# Altium PCB 控制板.PcbDoc (part 8 of 12) (continued)
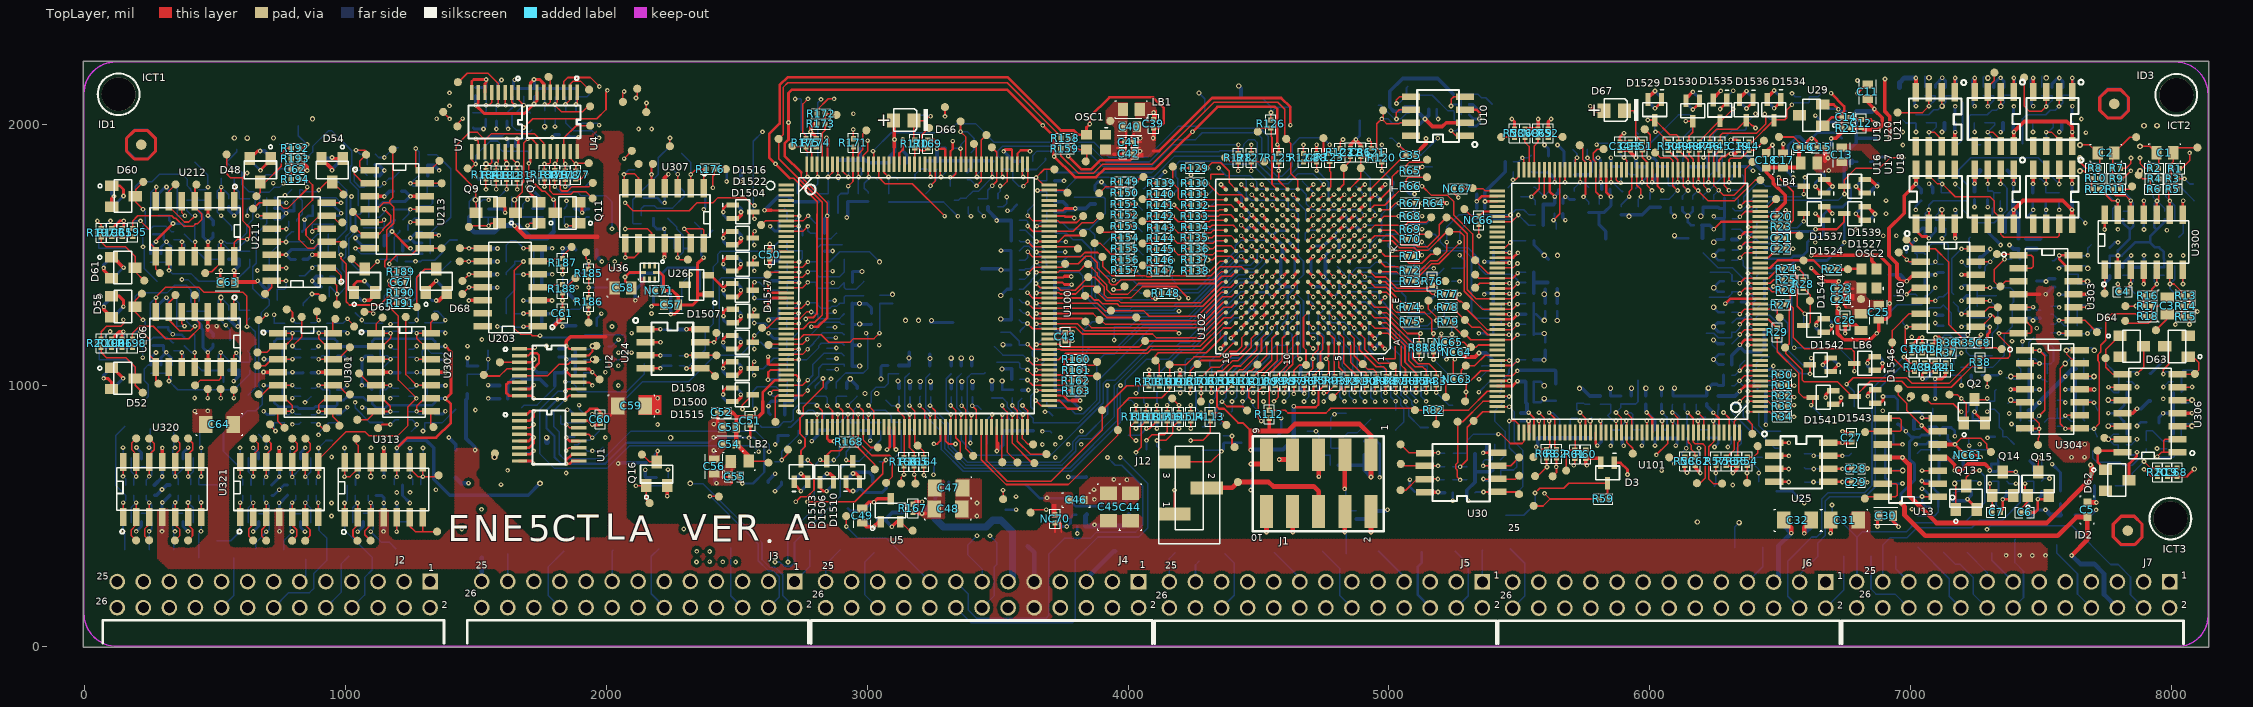
[diagram p0: TopLayer view]
## Nets (pads, with @x,y where several pads share a name; then routed paths per layer and width w, separated by ;. In a path a pad name is that pad's centre, name@x,y a point inside that pad or via, vN(x,y) a via of type N, cw(c..) or ccw(c..) an arc to the next point about the centre after c; other vN are vias at no path point) (continued)
  BottomLayer w6: pad.82@3334,1710.7 3350.1,1710.7 3358.2,1718.8 3379,1718.8 3404.4,1744.2 3425.3,1744.2 3480.7,1799.6 R525.2@3480.7,1828.4
U100-167_0: pad.90@2888,1659.8 R171.1 R581.1 U100.167 | length 294.8
  TopLayer w6: v1(2927.4,1764.6) 2945.57,1782.76 2945.57,1913.67 R171.1@2946.9,1915
  BottomLayer w6: pad.90@2888,1659.8 2888,1725.3 2899,1736.3 R581.1@2924.9,1736.3 2927.4,1738.8 v1(2927.4,1764.6)
U100-173_0: pad.127@2882.1,2037.8 R172.2 R173.2 U100.173 | length 243.4
  TopLayer w6: U100.173@2827.45,1848.5 2827.45,1968.56 2838.1,1979.2 2838.1,2041.4 2838.8,2042.1 2877.8,2042.1 pad.127@2882.1,2037.8
U100-174_0: R583.1 R588.2 U100.174 | length 160.7
  TopLayer w6: U100.174@2807.77,1848.5 2807.77,1802.13 v1(2809.9,1800)
  BottomLayer w6: R583.1@2772.8,1735.5 2810.3,1773 R588.2@2810.3,1831.3
U100-175_0: pad.126@2713.2,1918.8 R174.1 R175.1 U100.175 | length 175.1
  TopLayer w6: pad.126@2713.2,1918.8 2717,1915 R174.1@2804.4,1915 ; R175.1@2764.9,1915 2764.9,1902.7 2773.4,1894.2 2784.1,1894.2 2788.08,1890.22 U100.175@2788.08,1848.5
U100-176_0: pad.73@2733.2,1784.2 R584.1 R589.2 U100.176 | length 172.9
  TopLayer w6: U100.176@2768.4,1848.5 2768.4,1802.7 v1(2771.1,1800)
  BottomLayer w6: R584.1@2732.4,1735.5 2732.4,1783.4 2754.5,1783.4 2769.4,1798.3 R589.2@2769.4,1830.5
U101-1_0: pad.367 R34.2 R349.1 U101.1 | length 309.3
  TopLayer w6: v1(6376.5,899.4) 6376.7,899.6 6460.3,899.6 6480.1,879.8 R34.2@6493.4,879.8
  BottomLayer w6: v1(6376.5,899.4) 6413.8,899.4 6417.8,895.4 6417.8,847.1 6439.9,825 pad.367@6501.5,825
U101-3_0: pad.366 R33.2 R350.1 U101.3 | length 408.4
  TopLayer w6: v1(6376.5,939) 6455.3,939 6473.8,920.5 R33.2@6493.2,920.5
  BottomLayer w6: R350.1@6413.2,939.6 6380.7,939.6 6359,917.9 6359,881.7 6480.7,760 pad.366@6493.2,760
U101-4_0: pad.363 R32.2 R377.1 U101.4 | length 350.6
  TopLayer w6: v1(6345.5,939) 6365.16,958.66 6491.36,958.66 R32.2@6493.2,960.5
  BottomLayer w6: v1(6345.5,939) 6335.7,929.2 R377.1@6314,929.2 6314,898.4 6387.8,824.6 pad.363@6387.8,801.3
U101-5_0: pad.360 R31.2 R351.1 U101.5 | length 284.1
  TopLayer w6: v1(6376.7,978.2) 6470.1,978.2 R31.2@6492.8,1000.9
  BottomLayer w6: v1(6376.7,978.2) 6411.6,978.2 R351.1@6413.4,980 6413.4,994.5 6420,1001.1 6466.8,1001.1 6489,978.9 pad.360@6489,959.8
U101-19_0: C204.2 pad.309 R29.2 U101.19 | length 340.3
  TopLayer w6: v1(6345.3,1234.6) 6345.6,1234.6 6364.93,1253.93 6454.67,1253.93 R29.2@6489,1219.6
  BottomLayer w6: pad.309@6217.8,1200.9 6245.7,1200.9 6263.2,1183.4 6310.7,1183.4 6314.8,1187.5 C204.2@6314.8,1204.6 6315,1204.8 6329.8,1204.8 6345.3,1220.3 v1(6345.3,1234.6)
U101-20_0: C205.2 pad.313 R355.1 U101.20 | length 288.4
  TopLayer w6: v1(6376.9,1273.8) 6377.08,1273.62 U101.20@6424,1273.62
  BottomLayer w6: C205.2@6315.2,1240.5 6317,1240.5 6333.6,1257.1 6360.2,1257.1 v1(6376.9,1273.8) 6376.9,1273.2 6400.5,1249.6 R355.1@6409.2,1249.6 6409.2,1262.9 6416.1,1269.8 6460.8,1269.8 pad.313@6499.9,1230.7
U101-21_0: C206.2 pad.269@6498.6,1261.3 R27.1 U101.21 | length 244.7
  TopLayer w6: v1(6345.3,1273.8) 6364.8,1293.3 6457.5,1293.3 6474.7,1310.5 R27.1@6488.6,1310.5 6488.6,1271.3 pad.269@6498.6,1261.3
  BottomLayer w6: C206.2@6315.2,1280.5 6338.6,1280.5 v1(6345.3,1273.8)
U101-24_0: C198.1 pad.308 R356.1 U101.24 | length 246.2
  TopLayer w6: v1(6377.1,1352.1) 6377.36,1352.36 U101.24@6424,1352.36
  BottomLayer w6: v1(6377.1,1352.1) 6385.7,1352.1 6406.5,1331.3 6406.5,1328.3 6395.3,1317.1 6395.3,1303.9 R356.1@6409.2,1290 6409.2,1294.8 6423.6,1309.2 6495.9,1309.2 pad.308@6504.4,1300.7
U101-25_0: C208.2 pad.306 R26.1 U101.25 | length 311.6
  TopLayer w6: v1(6345.5,1353) 6364.54,1372.04 6457.06,1372.04 6469.1,1360 6503.6,1360 R26.1@6508.6,1365
  BottomLayer w6: pad.306@6227.6,1338.8 6301.1,1338.8 6315.6,1353.3 C208.2@6315.6,1360 6316,1359.6 6338.9,1359.6 v1(6345.5,1353)
U101-26_0: C199.1 pad.302@6204.6,1508.8 R25.1 U101.26 | length 399.5
  TopLayer w6: v1(6377.4,1391.9) 6462.3,1391.9 6475.9,1405.5 R25.1@6509,1405.5
  BottomLayer w6: pad.302@6204.6,1508.8 6204.9,1508.8 6262.4,1451.3 6317.4,1451.3 6399.1,1369.6 C199.1@6409.2,1369.6
U101-27_0: C209.2 pad.304@6231.5,1435 R24.1 U101.27 | length 330.5
  TopLayer w6: v1(6345.3,1392.3) 6364.41,1411.41 6456.61,1411.41 6490.7,1445.5 R24.1@6508.6,1445.5
  BottomLayer w6: pad.304@6231.5,1435 6304.5,1435 6315.6,1423.9 C209.2@6315.6,1400.5 6316.1,1400 6337.6,1400 v1(6345.3,1392.3)
U101-28_0: C200.1 pad.307 R357.1 U101.28 | length 263.5
  TopLayer w6: v1(6376.9,1431.1) U101.28@6424,1431.1
  BottomLayer w6: v1(6376.9,1431.1) 6398.2,1409.8 6410.5,1409.8 6410.5,1420.7 6419.8,1430 6482.8,1430 6509,1403.8 6509,1359.4 pad.307@6505.1,1355.5
U101-35_0: C213.2 pad.301@6513.2,1632.1 R361.1 U101.35 | length 294.6
  TopLayer w6: v1(6378,1568.6) 6378.29,1568.89 U101.35@6424,1568.89
  BottomLayer w6: C213.2@6315.6,1599.6 6347,1599.6 v1(6378,1568.6) 6409.9,1600.5 6409.9,1620.5 6421.5,1632.1 pad.301@6513.2,1632.1
U101-40_0: C214.2 pad.300@6484.4,1679.2 R362.1 U101.40 | length 296.4
  TopLayer w6: v1(6345.9,1647.1) 6366.12,1667.32 U101.40@6424,1667.32
  BottomLayer w6: C214.2@6316.1,1640 6339,1640 6367.4,1668.4 6384.9,1668.4 6400.7,1684.2 R362.1@6409.6,1684.2 6409.6,1668.6 6413.6,1664.6 6469.8,1664.6 pad.300@6484.4,1679.2
U101-41_0: C215.2 pad.276@6484.9,1714.6 R363.1 U101.41 | length 246.4
  TopLayer w6: v1(6377.6,1686.3) 6457.3,1686.3 6484.9,1713.9 pad.276@6484.9,1714.6
  BottomLayer w6: C215.2@6318.3,1679.2 6318.6,1679.2 6328.2,1669.6 6352.8,1669.6 6369.5,1686.3 v1(6377.6,1686.3) 6377.6,1700.7 6401.5,1724.6 R363.1@6410.1,1724.6
U101-42_0: C216.2 pad.299@6414.4,1773 R364.1 U101.42 | length 310.3
  TopLayer w6: v1(6346.3,1686.7) 6366.29,1706.69 U101.42@6424,1706.69
  BottomLayer w6: C216.2@6317.7,1718.8 6333.6,1718.8 6339,1713.4 6339,1694 v1(6346.3,1686.7) 6346.3,1687.4 6360.3,1701.4 6360.3,1724.2 6409.1,1773 6435.7,1773 6444.1,1764.6 R364.1@6464.4,1764.6
U101-47_0: C223.1 pad.253@6438.2,1938.8 R44.2 U101.47 | length 283
  TopLayer w6: v1(6304.2,1779.8) 6304.2,1865.2 6310.7,1871.7 6349.6,1871.7 6380.4,1902.5 6401.9,1902.5 pad.253@6438.2,1938.8
  BottomLayer w6: v1(6304.2,1779.8) 6316.1,1791.7 C223.1@6316.1,1808
U101-50_0: C219.2 pad.252@6394,1857.1 R45.2 U101.50 | length 436.3
  TopLayer w6: R45.2@6270.7,1902.4 6246.17,1877.87 U101.50@6246.17,1827.6 6246.17,1766.83 6283,1730 6323.2,1730 6367.1,1773.9 6367.1,1830.2 pad.252@6394,1857.1
  BottomLayer w6: C219.2@6246.3,1714.2 6246.3,1730.5 v1(6264.4,1748.6)
U101-51_0: C225.1 pad.272@6206.1,1954.4 R46.2 U101.51 | length 333.1
  TopLayer w6: v1(6225.5,1779.6) 6226.49,1780.59 6226.49,1897.99 R46.2@6230.9,1902.4
  BottomLayer w6: pad.272@6206.1,1954.4 6206.1,1929.3 6244.4,1891 6244.4,1820 6233.2,1808.8 C225.1@6221.9,1808.8 6221.9,1783.2 v1(6225.5,1779.6)
U101-52_0: C220.2 pad.273@6262.8,1984.6 R368.1 U101.52 | length 415.5
  TopLayer w6: U101.52@6206.8,1827.6 6206.8,1766.7 v1(6225.3,1748.2)
  BottomLayer w6: C220.2@6204.9,1714.6 6204.9,1727.8 v1(6225.3,1748.2) 6227.2,1748.2 6278.6,1799.6 R368.1@6278.6,1808.8 6270.6,1808.8 6258.2,1821.2 6258.2,1899.6 6244,1913.8 6244,1965.8 pad.273@6262.8,1984.6
U101-53_0: C226.1 R47.2 U101.53 | length 154.4
  TopLayer w6: v1(6186.3,1779.4) 6187.12,1780.22 6187.12,1898.62 R47.2@6191.1,1902.6
  BottomLayer w6: C226.1@6185.7,1808.4 6185.7,1780 v1(6186.3,1779.4)
U101-54_0: C221.2 pad.254@6424.9,1788 R48.2 U101.54 | length 499.4
  TopLayer w6: R48.2@6150.9,1902 6150.9,1884.4 6167.43,1867.87 6167.43,1763.97 6222.4,1709 6326.3,1709 6405.3,1788 pad.254@6424.9,1788
  BottomLayer w6: C221.2@6165.3,1715 6165.3,1727.4 v1(6185.9,1748)
U101-55_0: C227.1 R49.2 U101.55 | length 167.5
  TopLayer w6: R49.2@6111.1,1902.4 6147.75,1865.75 6147.75,1780.25 v1(6147.1,1779.6)
  BottomLayer w6: v1(6147.1,1779.6) 6150.3,1782.8 C227.1@6150.3,1807.5
U101-56_0: C222.2 pad.271@6159.6,1931.1 R396.2 U101.56 | length 355.3
  TopLayer w6: U101.56@6128.06,1827.6 6128.06,1766.44 v1(6146.7,1747.8)
  BottomLayer w6: C222.2@6125.9,1714.6 6125.9,1727 v1(6146.7,1747.8) 6145.4,1747.8 6129,1764.2 6129,1788 6109,1808 R396.2@6106.1,1808 6108.2,1808 6126.5,1826.3 6126.5,1870.9 6159.6,1904 pad.271@6159.6,1931.1
U101-57_0: C228.1 pad.171@6075.3,1764.6 R50.2 U101.57 | length 220.2
  TopLayer w6: R50.2@6071.5,1902 6107.4,1866.1 v1(6107.4,1779.6)
  BottomLayer w6: C228.1@6070.7,1808.4 6070.7,1769.2 6074,1765.9 6093.7,1765.9 v1(6107.4,1779.6)
U101-89_0: NC67.2 pad.245@5321.1,1756.7 U101.89 | length 139.5
  TopLayer w6: NC67.2@5279.4,1755 5361.1,1755 5370.04,1746.06 U101.89@5415.2,1746.06
U101-93_0: NC66.1 pad.208@5289.4,1676.7 U101.93 | length 144.2
  TopLayer w6: pad.208@5289.4,1676.7 5316.3,1649.8 5345.9,1649.8 5363.42,1667.32 U101.93@5415.2,1667.32
U101-122_0: pad.229@5355.9,1074.4 R423.2 R424.2 U101.122 | length 194.9
  TopLayer w6: U101.122@5415.2,1096.45 5460.75,1096.45 v1(5461.5,1095.7)
  BottomLayer w6: pad.229@5355.9,1074.4 5357.8,1076.3 5431.5,1076.3 ; R423.2@5431.1,1055.3 5431.1,1096.5 5460.7,1096.5 v1(5461.5,1095.7)
U101-123_0: pad.250@5424.9,969.6 R415.1 R422.2 U101.123 | length 274.3
  TopLayer w6: U101.123@5415.2,1076.77 5474.47,1076.77 v1(5493.8,1096.1)
  BottomLayer w6: pad.250@5424.9,969.6 5431.1,975.8 R422.2@5431.1,1017.3 5460.7,1046.9 5460.7,1063 5496.5,1098.8 R415.1@5525.3,1098.8
U101-138_0: NC4.1 pad.134@3706.9,819.2 U101.138 | length 3463.3
  TopLayer w6: v1(5575.5,896.1) 5596.57,875.03 U101.138@5596.57,819.9
  MidLayer2 w6: v1(3671.7,824.4) 3745.5,824.4 3813.2,756.7 3844.4,756.7 3906.1,695 4363.2,695 4388.2,720 4479.9,720 4499.9,700 4620.4,700 4660.2,739.8 4910.8,739.8 5007.7,836.7 5393.6,836.7 5442.4,885.5 5498.7,885.5 5530.3,917.1 5554.5,917.1 v1(5575.5,896.1)
  MidLayer3 w6: v1(3347.4,1649.2) 3347.8,1648.8 3347.8,1295.8 3574.4,1069.2 3574.4,887.6 3637.6,824.4 v1(3671.7,824.4)
  BottomLayer w6: NC4.1@3082.8,1703.8 3292.8,1703.8 v1(3347.4,1649.2) ; v1(3671.7,824.4) 3701.7,824.4 pad.134@3706.9,819.2
U101-140_0: pad.255@5647.6,879 R62.2 R385.2 U101.140 | length 245.4
  TopLayer w6: v1(5614.4,895.9) 5635.94,874.36 5635.94,760.56 R62.2@5642.8,753.7
  BottomLayer w6: v1(5614.4,895.9) 5628.6,895.9 5654.9,869.6 R385.2@5654.9,829.6
U101-144_0: pad.238@5679.9,674.2 R60.2 R61.2 U101.144 | length 212.9
  TopLayer w6: pad.238@5679.9,674.2 5679.9,737.6 5695,752.7 R60.2@5755.1,752.7 ; R61.2@5712.6,752.7 5714.68,754.78 U101.144@5714.68,819.9
U101-161_0: J12.1 pad.270@4180.9,634 U101.161 | length 2243.7
  TopLayer w6: J12.1@4176.9,506.7 4177.8,507.6 v1(4177.8,598.8) ; v1(6047.1,864.4) 6049.33,862.17 U101.161@6049.33,819.9
  MidLayer2 w6: v1(4177.8,598.8) 4201.1,575.5 4715.7,575.5 4769.4,629.2 4878.8,629.2 4905.5,602.5 5138.7,602.5 5170.7,570.5 5208.6,570.5 5228.6,590.5 5321,590.5 5347.7,563.8 5669,563.8 5933.6,828.4 6011.1,828.4 v1(6047.1,864.4)
  BottomLayer w6: v1(4177.8,598.8) 4180.9,601.9 pad.270@4180.9,634
U101-174_0: pad.365 R347.1 R348.1 U101.174 | length 391.1
  TopLayer w6: v1(6283.2,896.5) 6305.23,874.47 U101.174@6305.23,819.9
  BottomLayer w6: v1(6283.2,896.5) 6351.9,827.8 6351.9,778.3 6333.8,760.2 R348.1@6333.8,725.3 6431.7,725.3 pad.365@6431.9,725.5
U101-175_0: pad.255@6393.6,815 R56.1 R57.1 U101.175 | length 307.1
  TopLayer w6: R57.1@6254,725.5 6295.5,725.5 6324.92,754.92 U101.175@6324.92,819.9 6324.92,862.82 6332.8,870.7 6373.8,870.7 6393.6,850.9 pad.255@6393.6,815
U101-176_0: pad.256@6414.2,768 R54.1 R55.1 U101.176 | length 207.6
  TopLayer w6: U101.176@6344.6,819.9 6344.6,787.3 6336.9,779.6 6336.9,725.7 6398.2,725.7 6414.2,741.7 pad.256@6414.2,768
U102-A3_0: R88.2 U102.A3 | length 187.1
  TopLayer w6: U102.A3@4886.76,1161.5 4886.76,1137.04 4951.5,1072.3 4979.1,1072.3 4989.9,1061.5 R88.2@4989.9,1033.3
U102-A4_0: R90.2 U102.A4 | length 167.5
  TopLayer w6: U102.A4@4847.39,1161.5 4854.2,1154.69 4854.2,1088.6 4889.8,1053 4908,1053 4913.6,1047.4 R90.2@4913.6,1032.1
U102-A5_0: R92.2 U102.A5 | length 142.8
  TopLayer w6: U102.A5@4808.02,1161.5 4808.02,1070.18 4839.9,1038.3 R92.2@4839.9,1031.9
U102-A6_0: NC63.2 pad.247@4836.7,894.2 R94.2 R444.2 U102.A6 | length 1397.8
  TopLayer w6: R94.2@4754.6,1034 4769,1048.4 4769,1092.7 v1(4759.4,1102.3) 4768.65,1111.55 U102.A6@4768.65,1161.5 ; NC63.2@5246.4,1025 5246.4,1094.3 v1(5253,1100.9)
  MidLayer2 w6: v1(4759.4,1102.3) 4791.3,1070.4 v1(4791.3,890)
  MidLayer3 w6: v1(4759.4,1102.3) 4770.3,1113.2 4770.3,1227.1 4782.8,1239.6 5032.7,1239.6 5111.1,1318 5211.5,1318 5224,1305.5 5224,1129.9 v1(5253,1100.9)
  BottomLayer w6: R444.2@4776.5,833.3 4776.5,875.2 4795.5,894.2 pad.247@4836.7,894.2
U102-A7_0: NC56.2 NC66.2 pad.233@5555.3,538.8 R59.1 R96.2 U102.A7 | length 3189.6
  TopLayer w6: R96.2@4675.3,1032.5 4709,1066.2 4709,1118.1 4729.28,1138.38 U102.A7@4729.28,1161.5 ; NC66.2@5345.3,1618 5345.3,1573.2 v1(5345.5,1573) ; pad.233@5555.3,538.8 5555.9,538.2 5591.4,538.2 5618.2,565 ; v1(5596.7,586.5) 5618.2,565 ; R59.1@5807.1,565 5618.2,565
  MidLayer2 w6: v1(4709,1102.5) 4768.6,1162.1 4768.6,1229.4 4776.7,1237.5 4802.6,1237.5 4808.6,1231.5 4808.6,1150.9 4915.7,1043.8 5356.7,1043.8 5395.9,1004.6 5395.9,984.8 5438.6,942.1 5576.1,942.1 5586.9,931.3 5623.2,931.3 5686.1,868.4 5686.1,648.4 5624.2,586.5 v1(5596.7,586.5)
  MidLayer3 w6: v1(4709,1102.5) 4734.9,1128.4 4734.9,1279.2 4737.4,1281.7 5051.3,1281.7 5095.7,1326.1 5095.7,1550.9 5117.8,1573 v1(5345.5,1573)
  BottomLayer w10: NC56.2@4704.2,1075.5 4704.2,1097.7 v1(4709,1102.5)
U102-A8_0: C302.2 pad.149@4327.6,1752.5 R131.2 U102.A8 | length 1130.3
  TopLayer w6: R131.2@4273.8,1733.4 4300.1,1733.4 v1(4300.3,1733.6) ; U102.A8@4689.91,1161.5 v1(4709.6,1142.1)
  BottomLayer w6: C302.2@4274.4,1733.8 4308.9,1733.8 4334.4,1759.3 4334.4,1781.7 4344.4,1791.7 4446.1,1791.7 4453.6,1784.2 4453.6,1728.4 4472,1710 4606.6,1710 4614.4,1702.2 4614.4,1680.9 4620.7,1674.6 4636.5,1674.6 4653.2,1657.9 4653.2,1495.8 4672.8,1476.2 4672.8,1425.1 4648.2,1400.5 4648.2,1348.8 4672.8,1324.2 4672.8,1178.9 v1(4709.6,1142.1)
U102-A9_0: pad.117@3642.6,1204.4 R478.2 U100.105 U102.A9 | length 1212.9
  TopLayer w6: v1(3649.4,1236.7) 3806.3,1236.7 3833.6,1209.4 4186.4,1209.4 v1(4195.5,1200.3) ; U102.A9@4650.54,1161.5 4650.54,1110.96 v1(4659.4,1102.1)
  MidLayer3 w6: v1(4195.5,1200.3) 4293.7,1102.1 v1(4659.4,1102.1)
  BottomLayer w6: pad.117@3642.6,1204.4 3642.6,1231.5 3648.6,1237.5 3648.8,1237.5 3670.4,1215.9 3687,1215.9 R478.2@3687.8,1216.7
U102-A10_0: R99.2 U102.A10 | length 149.5
  TopLayer w6: R99.2@4564.2,1031.5 4611.17,1078.47 U102.A10@4611.17,1161.5
U102-A11_0: R100.2 U102.A11 | length 152.5
  TopLayer w6: R100.2@4519.2,1030.8 4519.2,1043 4571.8,1095.6 U102.A11@4571.8,1161.5
U102-A12_0: pad.193@4496.1,1080 R102.2 U102.A12 | length 173.8
  TopLayer w6: R102.2@4438.8,1031.9 4463,1056.1 4472.3,1056.1 4532.43,1116.23 U102.A12@4532.43,1161.5
U102-A14_0: R106.2 U102.A14 | length 235.9
  TopLayer w6: R106.2@4279.9,1031.2 4319.4,1070.7 4352.2,1070.7 4397.4,1115.9 4421.9,1115.9 4453.69,1147.69 U102.A14@4453.69,1161.5
U102-A15_0: pad.191@4159,1080.5 R109.2 U102.A15 | length 337.9
  TopLayer w6: R109.2@4159.4,1030.8 4159.4,1080.1 4159.8,1080.5 4223.6,1080.5 4252.7,1109.6 4349.8,1109.6 4401.7,1161.5 U102.A15@4414.32,1161.5
U102-B1_0: R86.2 U102.B1 | length 227.9
  TopLayer w6: U102.B1@4965.5,1200.87 4996.93,1200.87 5046.9,1150.9 5046.9,1079.2 5063.8,1062.3 R86.2@5063.8,1032.1
U102-B3_0: pad.223@5016.1,1075.5 R87.2 U102.B3 | length 252
  TopLayer w6: U102.B3@4886.76,1200.87 4906.9,1180.73 4906.9,1139.5 4960.7,1085.7 5005.9,1085.7 5025.7,1065.9 R87.2@5025.7,1032.9
U102-B4_0: pad.222@4899.9,1082.1 R89.2 U102.B4 | length 224.9
  TopLayer w6: U102.B4@4847.39,1200.87 4867.8,1180.46 4867.8,1114 4919.9,1061.9 4941.4,1061.9 4951.9,1051.4 R89.2@4951.9,1031.9
U102-B5_0: R91.2 U102.B5 | length 196.5
  TopLayer w6: U102.B5@4808.02,1200.87 4827.8,1181.09 4827.8,1085.9 4876.5,1037.2 R91.2@4876.5,1032.7
U102-B6_0: pad.224@4783.6,955 R93.2 U102.B6 | length 290.5
  TopLayer w6: U102.B6@4768.65,1200.87 4790.3,1179.22 4790.3,1036.8 R93.2@4793.6,1033.5 4808.7,1033.5 4816.7,1025.5 4816.7,984.4 4787.3,955 pad.224@4783.6,955
U102-B7_0: pad.221@4737.8,1077.1 R95.2 U102.B7 | length 187.2
  TopLayer w6: R95.2@4715.3,1034.2 4715.3,1042 4738,1064.7 4738,1129.2 4747.1,1138.3 4747.1,1183.05 U102.B7@4729.28,1200.87
U102-B8_0: NC67.1 pad.165@4073.2,1353 R148.1 R468.1 U102.B8 | length 1990.2
  TopLayer w6: pad.165@4073.2,1353 4073.2,1352.1 4091.7,1333.6 4106.2,1333.6 4126.4,1353.8 R148.1@4129.2,1353.8 ; U102.B8@4689.91,1200.87 v1(4710.1,1181.1) ; NC67.1@5248.2,1755 5248.2,1739.6 v1(5266.5,1721.3)
  MidLayer3 w6: v1(4105.1,1333.6) 4117.9,1333.6 4291.5,1160 4689,1160 v1(4710.1,1181.1) 4686.9,1204.3 4686.9,1300.8 4705.3,1319.2 5026.9,1319.2 5079.4,1371.7 5079.4,1679.6 5121.1,1721.3 v1(5266.5,1721.3)
  BottomLayer w6: R468.1@4008.6,1328.4 4099.9,1328.4 v1(4105.1,1333.6)
U102-B9_0: R98.2 U102.B9 | length 189.6
  TopLayer w6: R98.2@4600.3,1032.1 4600.3,1049.8 4631.7,1081.2 4631.7,1182.03 U102.B9@4650.54,1200.87
U102-B10_0: pad.225@5099.9,905.9 R82.1 R112.2 U102.B10 | length 953.7
  TopLayer w6: U102.B10@4611.17,1200.87 4591.5,1181.2 4591.5,1095.3 4541.1,1044.9 R112.2@4541.1,905.6 4602.6,905.6 4613.4,894.8 4759.4,894.8 4777.1,912.5 5093.3,912.5 5100.5,905.3 R82.1@5155.7,905.3
U102-B11_0: R101.2 U102.B11 | length 211.6
  TopLayer w6: R101.2@4479,1031.9 4501.5,1054.4 4508.6,1054.4 4551.1,1096.9 4551.1,1180.17 U102.B11@4571.8,1200.87
U102-B12_0: R103.2 U102.B12 | length 232.1
  TopLayer w6: R103.2@4398.4,1031.7 4426.7,1060 4439.4,1060 4511.7,1132.3 4511.7,1180.14 U102.B12@4532.43,1200.87
U102-B13_0: R105.2 U102.B13 | length 263.3
  TopLayer w6: R105.2@4319.9,1031.9 4343.7,1055.7 4361.1,1055.7 4400.9,1095.5 4422.1,1095.5 4472.8,1146.2 4472.8,1180.61 U102.B13@4493.06,1200.87
U102-B14_0: pad.192@4265.7,1082.5 R107.2 U102.B14 | length 319.5
  TopLayer w6: R107.2@4239,1030.8 4239,1055.8 4279.1,1095.9 4356.1,1095.9 4390.7,1130.5 4416.9,1130.5 4435.3,1148.9 4435.3,1182.48 U102.B14@4453.69,1200.87
U102-B16_0: pad.190@4105.3,1095.5 R110.2 U102.B16 | length 395.9
  TopLayer w6: R110.2@4120.5,1030.4 4120.5,1080.3 pad.190@4105.3,1095.5 4105.3,1114.7 4116.1,1125.5 4299.58,1125.5 U102.B16@4374.95,1200.87
U102-C1_0: R84.2 U102.C1 | length 313.1
  TopLayer w6: U102.C1@4965.5,1240.24 4991.26,1240.24 5075.9,1155.6 5075.9,1096.1 5100.1,1071.9 5129.4,1071.9 5143,1058.3 R84.2@5143,1032.9
U102-C2_0: R85.2 U102.C2 | length 309.3
  TopLayer w6: U102.C2@4926.13,1240.24 4946.07,1220.3 4993.8,1220.3 5061.9,1152.2 5061.9,1089.4 5104.2,1047.1 R85.2@5104.2,1032.7
U102-C4_0: pad.233@4956.3,1089.2 R439.2 U102.C4 | length 265.6
  TopLayer w6: U102.C4@4847.39,1240.24 v1(4867.4,1220.5)
  BottomLayer w6: v1(4867.4,1220.5) 4904.9,1183 4904.9,1140.6 4986.9,1058.6 R439.2@4986.9,1032.5
U102-C5_0: pad.204@4848.8,1176.5 R441.2 U102.C5 | length 249.5
  TopLayer w6: U102.C5@4808.02,1240.24 v1(4827.8,1220.7)
  BottomLayer w6: v1(4827.8,1220.7) 4827.8,1197.5 pad.204@4848.8,1176.5 4879.2,1146.1 4879.2,1060.7 R441.2@4907.8,1032.1
U102-C6_0: NC65.2 pad.185@4408.6,763.8 R458.1 U102.C6 | length 1468.2
  TopLayer w6: v1(4398.6,806.7) 4398.6,773.8 pad.185@4408.6,763.8 ; U102.C6@4768.65,1240.24 v1(4788.8,1220.9) ; v1(5201.3,1198.8) 5201.3,1177.4 NC65.2@5212,1166.7
  MidLayer2 w6: v1(4398.6,806.7) 4727.2,806.7 4744.2,823.7 4744.2,860.9 4769.9,886.6 4769.9,1045.4 4737.4,1077.9 4737.4,1106.7 4788.8,1158.1 v1(4788.8,1220.9)
  MidLayer3 w6: v1(4788.8,1220.9) 4810.5,1199.2 5027.4,1199.2 5106.2,1278 5193.2,1278 5201.3,1269.9 v1(5201.3,1198.8)
  BottomLayer w6: R458.1@4366.1,807.5 4397.8,807.5 v1(4398.6,806.7)
U102-C7_0: pad.226@4790.9,1124.8 R445.2 U102.C7 | length 242.3
  TopLayer w6: U102.C7@4729.28,1240.24 v1(4749.9,1220.7)
  BottomLayer w6: v1(4749.9,1220.7) 4749.9,1218.8 4783,1185.7 4783,1166.3 4790.9,1158.4 4790.9,1054.8 R445.2@4769,1032.9
U102-C8_0: pad.186@4376.9,848.8 pad.242@4352.8,851.3 R113.2 U102.C8 | length 778.6
  TopLayer w6: R113.2@4315.7,895.6 4350.1,895.6 v1(4359.6,886.1) 4359.6,866.1 pad.186@4376.9,848.8 ; U102.C8@4689.91,1240.24 v1(4710.1,1220.9)
  MidLayer2 w6: v1(4359.6,886.1) 4371.1,897.6 4371.1,906.9 4381.3,917.1 4381.3,982.3 4418.6,1019.6 4658.8,1019.6 4690.1,1050.9 4690.1,1200.9 v1(4710.1,1220.9)
  BottomLayer w6: pad.242@4352.8,851.3 4359.6,858.1 v1(4359.6,886.1)
U102-C9_0: pad.240@4246.1,884.2 R114.2 U102.C9 | length 684.9
  TopLayer w6: R114.2@4240.3,895.6 v1(4240.3,924.8) ; v1(4630.9,1220.5) U102.C9@4650.54,1240.24
  MidLayer2 w6: v1(4240.3,924.8) 4221.5,943.6 4221.5,982.5 4317.8,1078.8 4413.6,1078.8 4503.6,1168.8 4598.6,1168.8 4630.9,1201.1 v1(4630.9,1220.5)
  BottomLayer w6: v1(4240.3,924.8) 4240.3,890 pad.240@4246.1,884.2
U102-C11_0: pad.221@4425.7,1077.1 R461.1 U102.C11 | length 280.4
  TopLayer w6: v1(4551.5,1220.9) U102.C11@4571.8,1240.24
  BottomLayer w6: R461.1@4399.9,1031.3 4399.9,1051.3 4551.5,1202.9 v1(4551.5,1220.9)
U102-C12_0: pad.219@4313.9,1076.2 R463.1 U102.C12 | length 352.1
  TopLayer w6: v1(4512.1,1220.7) U102.C12@4532.43,1240.24
  BottomLayer w6: R463.1@4320.3,1031.3 4320.3,1068.8 4312.8,1076.3 4312.8,1089.7 4347.3,1124.2 4430.6,1124.2 4512.1,1205.7 v1(4512.1,1220.7)
U102-C15_0: pad.121@3631.9,1129.6 R476.2 U100.98 U102.C15 | length 922
  TopLayer w6: v1(3648.8,1098.8) 3734.2,1098.8 3759.8,1124.4 4075.3,1124.4 4088.4,1137.5 4283.1,1137.5 4366.1,1220.5 4394.58,1220.5 U102.C15@4414.32,1240.24
  BottomLayer w6: v1(3648.8,1098.8) 3633.6,1114 3633.6,1131.3 3640.3,1138 R476.2@3689.9,1138
U102-C16_0: pad.119@3512.4,1204.6 R500.1 U100.100 U102.C16 | length 944.6
  TopLayer w6: v1(3615.1,1158.2) 3615.6,1158.2 3634.92,1138.88 3738.72,1138.88 3741.3,1136.3 4069.5,1136.3 4083.7,1150.5 4276.2,1150.5 4365.94,1240.24 U102.C16@4374.95,1240.24
  BottomLayer w6: pad.119@3512.4,1204.6 3548.2,1204.6 3582.8,1170 R500.1@3582.8,1155.5 3612.4,1155.5 v1(3615.1,1158.2)
U102-D1_0: C251.2 pad.205@5068.6,1190 R81.1 U102.D1 | length 328.2
  TopLayer w6: U102.D1@4965.5,1279.61 4991.19,1279.61 5071.2,1199.6 v1(5121.1,1199.6) 5115.9,1194.4 R81.1@5115.9,1160.5
  BottomLayer w6: pad.205@5068.6,1190 5096.9,1161.7 5114.4,1161.7 5114.4,1192.9 v1(5121.1,1199.6)
U102-D2_0: pad.226@5218.6,955.5 R83.2 U102.D2 | length 513.9
  TopLayer w6: U102.D2@4926.13,1279.61 4945.44,1260.3 4992.1,1260.3 5091.5,1160.9 5091.5,1104.4 5112.9,1083 5154.8,1083 5181.7,1056.1 R83.2@5181.7,1032.9 5182.1,1032.5 5210.8,1032.5 5218.6,1024.7 pad.226@5218.6,955.5
U102-D3_0: pad.232@5012.6,1076.7 R438.2 U102.D3 | length 320.3
  TopLayer w6: U102.D3@4886.76,1279.61 v1(4906.7,1260)
  BottomLayer w6: v1(4906.7,1260) 4922.8,1243.9 4922.8,1141.2 4944,1120 4969.9,1120 5025.7,1064.2 R438.2@5025.7,1032.1
U102-D6_0: pad.234@4906.9,1074.6 R440.2 U102.D6 | length 336.6
  TopLayer w6: U102.D6@4768.65,1279.61 v1(4788.2,1260)
  BottomLayer w6: v1(4788.2,1260) 4797.4,1260 4815.3,1242.1 4829.9,1242.1 4845.7,1226.3 4845.7,1216.7 4892.8,1169.6 4892.8,1131.7 4906.9,1117.6 4906.9,1074.3 4946.9,1034.3 R440.2@4946.9,1030.8
U102-D7_0: pad.235@4820.7,1074.6 R443.2 U102.D7 | length 290.3
  TopLayer w6: U102.D7@4729.28,1279.61 v1(4749.2,1260.3)
  BottomLayer w6: v1(4749.2,1260.3) 4749.2,1249 4767.4,1230.8 4767.4,1217.1 4795.3,1189.2 4795.3,1173.3 4820.7,1147.9 pad.235@4820.7,1074.6 4829.9,1065.4 R443.2@4829.9,1031.2
U102-D8_0: pad.194@4682.4,1078.8 R97.2 U102.D8 | length 293.2
  TopLayer w6: R97.2@4636.3,1031.7 4636.3,1058.6 4656.5,1078.8 pad.194@4682.4,1078.8 4682.4,1136.7 4672.8,1146.3 4672.8,1262.5 U102.D8@4689.91,1279.61
U102-D9_0: pad.223@4555.3,1143 R459.1 U102.D9 | length 354.7
  TopLayer w6: v1(4630.9,1260) U102.D9@4650.54,1279.61
  BottomLayer w6: R459.1@4479.4,1031.3 4479.4,1046.7 4541.1,1108.4 4541.1,1128.8 4566.1,1153.8 4604.9,1153.8 4628.6,1177.5 4628.6,1195.9 4613.2,1211.3 4613.2,1232.2 4630.9,1249.9 v1(4630.9,1260)
U102-D10_0: pad.222@4496.1,1105.5 R460.1 U102.D10 | length 319.1
  TopLayer w6: v1(4591.5,1260) U102.D10@4611.17,1279.61
  BottomLayer w6: R460.1@4439.4,1031.7 4439.4,1047.5 4497.4,1105.5 4497.4,1122.6 4572.4,1197.6 4572.4,1240.9 v1(4591.5,1260)
U102-D11_0: pad.220@4365.3,1078 R462.1 U102.D11 | length 357.5
  TopLayer w6: v1(4552.4,1260) U102.D11@4571.8,1279.61
  BottomLayer w6: R462.1@4360.7,1031.7 4360.7,1072.6 4393.6,1105.5 4431.6,1105.5 4533.6,1207.5 4533.6,1241.2 v1(4552.4,1260)
U102-D14_0: pad.218@4246.9,1075 R464.1 U102.D14 | length 353.6
  TopLayer w6: v1(4433.8,1259.6) U102.D14@4453.69,1279.61
  BottomLayer w6: R464.1@4240.3,1030 4240.3,1068 4352.8,1180.5 4352.8,1205.3 4407.1,1259.6 v1(4433.8,1259.6)
U102-D15_0: pad.174@4065.7,1170.9 R477.2 U100.101 U102.D15 | length 871.5
  TopLayer w6: v1(3649.4,1157.5) 3650.46,1158.56 3737.34,1158.56 3748.1,1147.8 4042.6,1147.8 4065.5,1170.7 4277.4,1170.7 4366.7,1260 4394.71,1260 U102.D15@4414.32,1279.61
  BottomLayer w6: v1(3649.4,1157.5) 3670.3,1178.4 R477.2@3687.8,1178.4
U102-D16_0: pad.118@3587.1,1204 R501.1 U100.104 U102.D16 | length 909
  TopLayer w6: v1(3614.9,1237.5) 3634.78,1217.62 3741.42,1217.62 3747.6,1223.8 3798.6,1223.8 3824.9,1197.5 4093.7,1197.5 4107.4,1183.8 4270.3,1183.8 4366.11,1279.61 U102.D16@4374.95,1279.61
  BottomLayer w6: R501.1@3583.2,1251.7 3594.9,1240 3611.9,1240 3614.4,1237.5 3587.1,1210.2 pad.118@3587.1,1204
U102-E1_0: pad.163@3847.4,1415.9 R483.2 U100.112 U102.E1 | length 1582.2
  TopLayer w6: v1(3647.6,1391.1) 3647.6,1390.8 3663.3,1375.1 3732.7,1375.1 3742.1,1365.7 3797.2,1365.7 3846.5,1415 3872.4,1415 3908.2,1379.2 3908.2,1348.8 3919.7,1337.3 4012.9,1337.3 4055.2,1379.6 4186.5,1379.6 v1(4231.1,1335) ; U102.E1@4965.5,1318.98 v1(4985.5,1338.2)
  MidLayer3 w6: v1(4231.1,1335) 4281.7,1335 4345.1,1398.4 4925.3,1398.4 v1(4985.5,1338.2)
  BottomLayer w6: v1(3647.6,1391.1) 3667,1410.5 R483.2@3687.8,1410.5
U102-E2_0: R75.1 U102.E2 | length 170
  TopLayer w6: U102.E2@4926.13,1318.98 4926.92,1318.98 4945.4,1300.5 4991.3,1300.5 5046.3,1245.5 R75.1@5065.7,1245.5